# Altium PCB LM-003.PcbDoc (part 2 of 2) (continued)
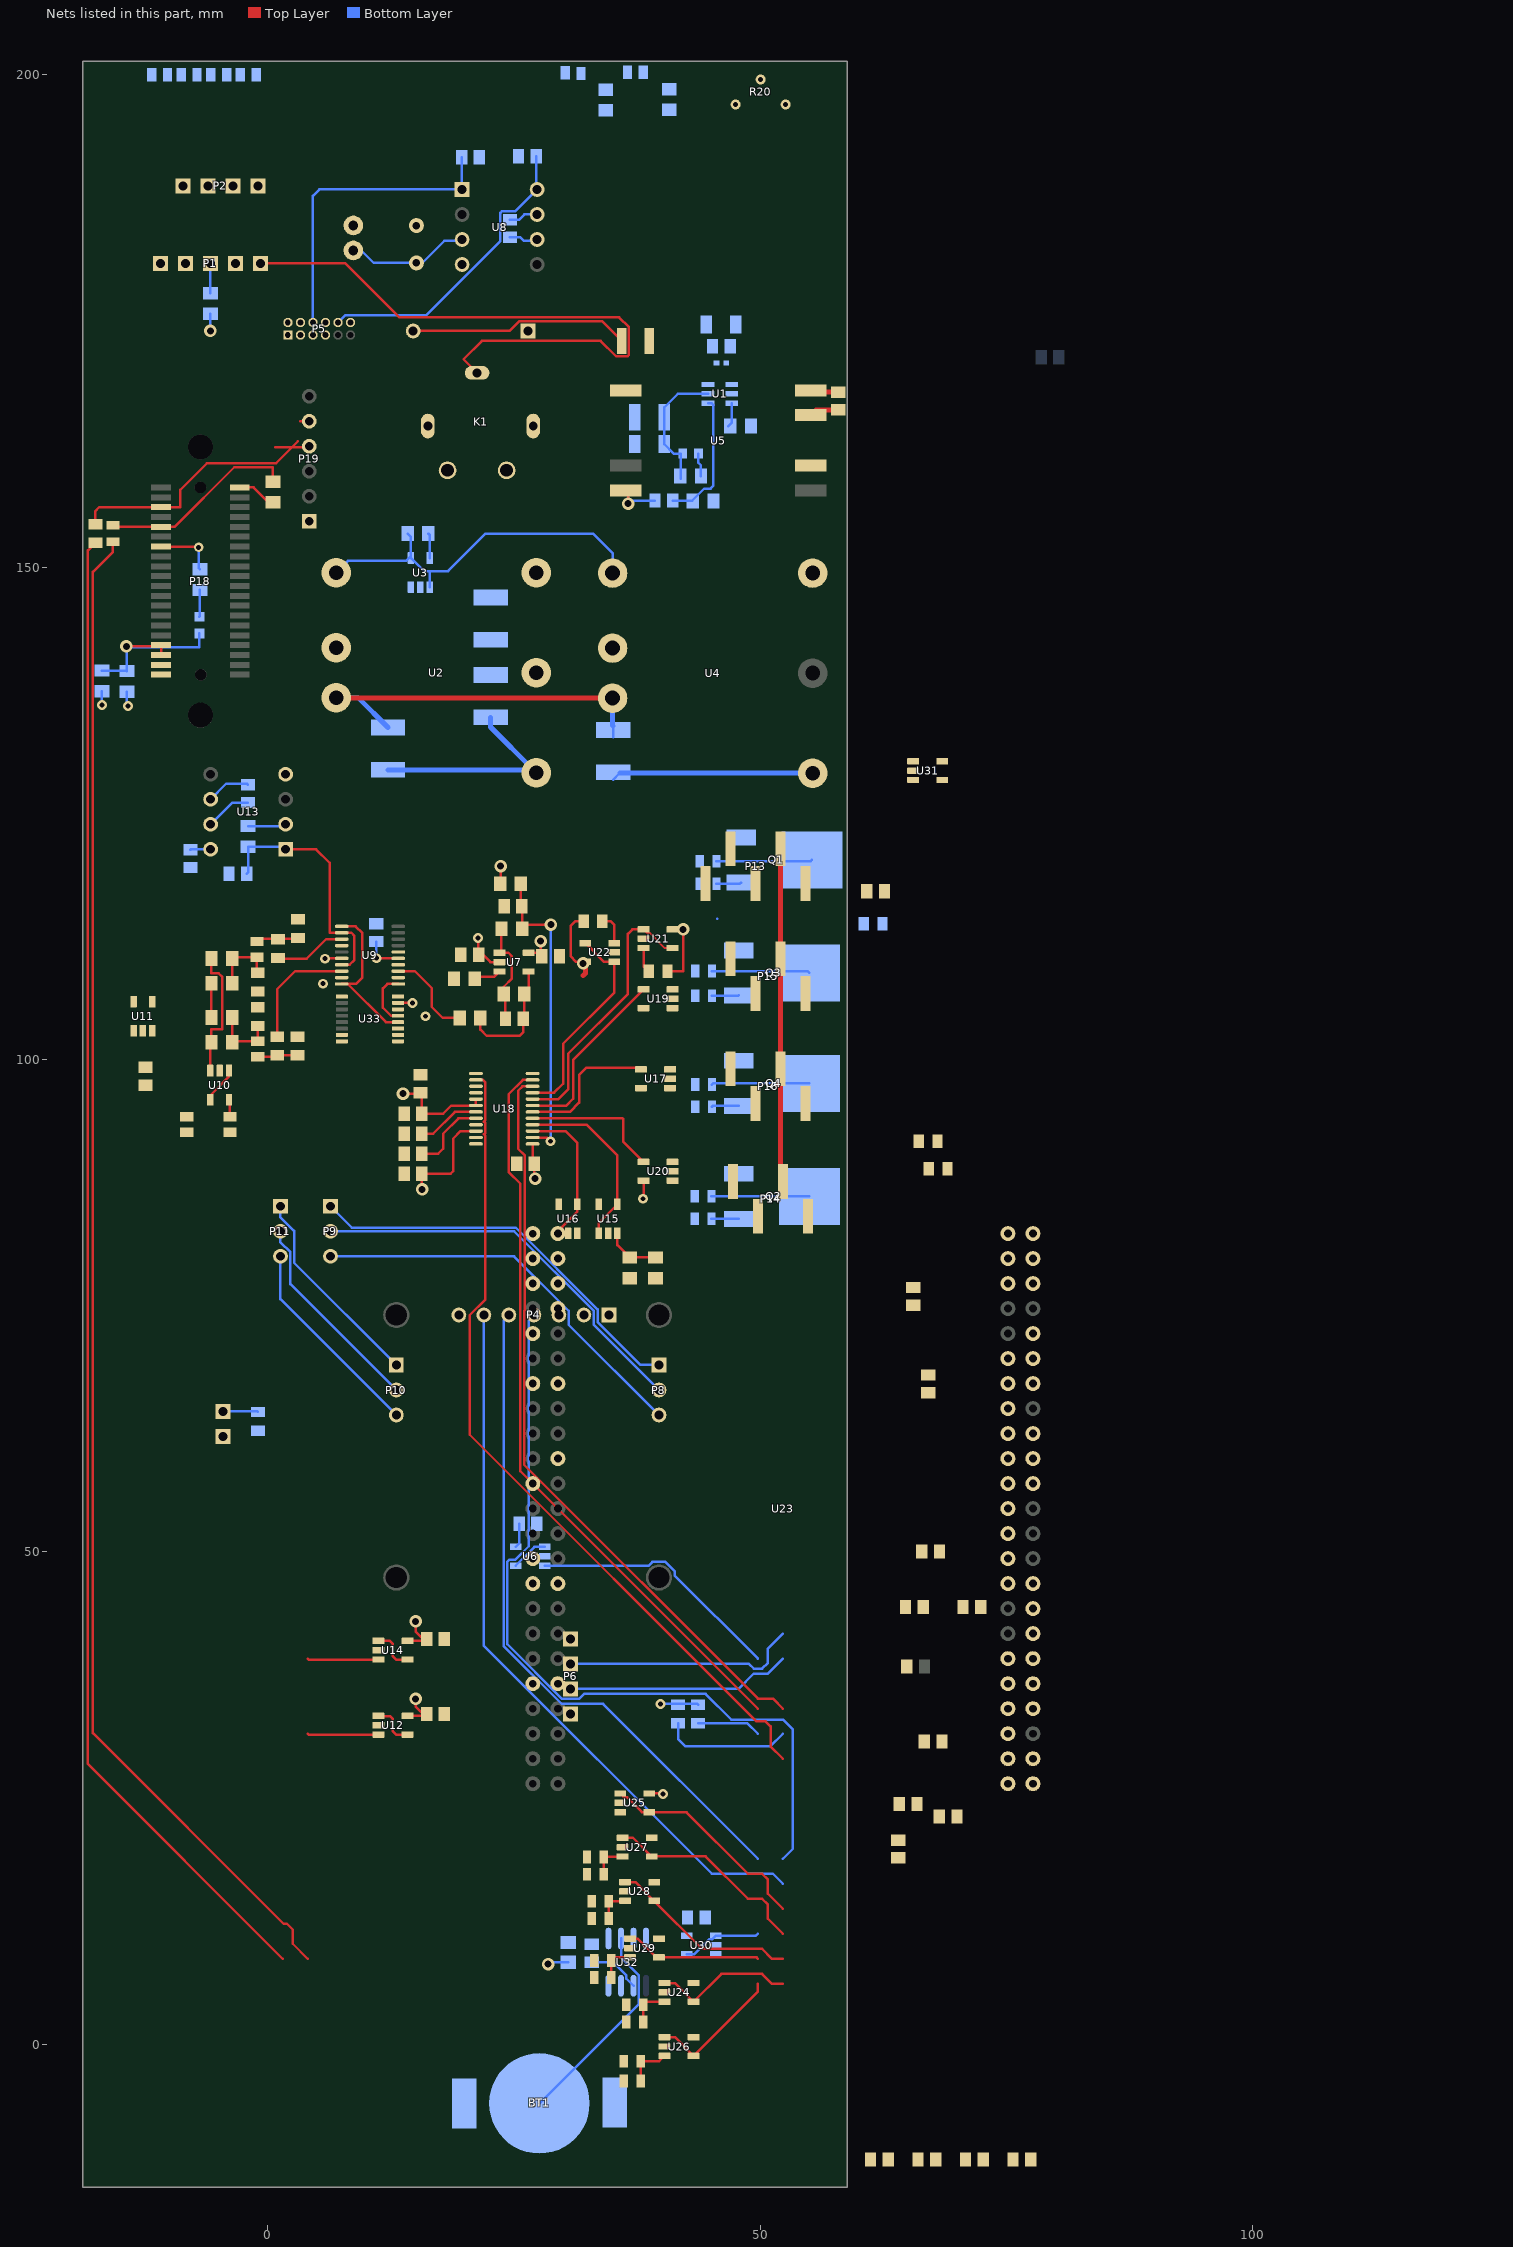
[diagram p3: the nets of this part, all layers, seen from the top]
## Part data (continued)
U3 U6 U7 U10 U11 U12 U14 U15 U16 U17 U19 U20 U21 U22 U24 U25 U26 U27 U28 U29 U30 U31: library part CMP-0809-00005-2, "Precision, Low Noise, Rail-to-Rail Output, Zero-Drift Operational Amplifier, 4 to 36 V, -40 to 125 degC, 5-pin SOT23 (DBV5), Green (RoHS & no Sb/Br)", Manufacturer="Texas Instruments", Rating=Catalog, Total Supply Voltage(Max)(+5V is 5, +/-5V is 10)=36, Total Supply Voltage(Min)(+5V is 5, +/-5V is 10)=4, CMRR(Min)(dB)=120, Code_JEDEC=MO-178, ComponentLink1Description="Manufacturer URL", ComponentLink1URL=http://www.ti.com/, ComponentLink2Description=Datasheet, ComponentLink2URL=http://www.ti.com/lit/ds/symlink/opa188.pdf, ComponentLink3Description="Package Specification", ComponentLink3URL=http://www.ti.com/litv/pdf/mpds018i, DatasheetVersion=SBOS642A, Eco-Plan="Green (RoHS & no Sb/Br)", GBW(Typ)(MHz)=2, Iq per channel(Max)(mA)=0.51, Mounting Technology="Surface Mount", Number of Channels=1, Offset Drift(Typ)(uV/C)=0.03, PackageDescription="5-Pin Plastic Small Outline, Body 1.6 x 2.9 mm, Pitch 0.95 mm", PackageReference=DBV0005A, PackageVersion="4073253-4/K, 03/2006", PartNumber=OPA188AIDBVR, Slew Rate(Typ)(V/us)=0.8, SubFamily="Zero Drift Precision Amplifier"
U4: "DC/DC CONVERTER 12V 2.5A PCB", Current - Output (Max)=2.5A, Manufacturer 1="TDK-Lambda Americas Inc", Operating Temperature="-40°C ~ 85°C", Package / Case="6-DIP Module (6 Leads)", Power (Watts) - Manufacture Series=30W, Supplier Part Number 1=285-2419-ND, Voltage - Input (Max)=36V, Voltage - Input (Min)=9V, Voltage - Isolation="1.5kV (1500V)", Voltage - Output 1=12V, Voltage - Output 2=-, Category 1="Power Supplies - Board Mount", ComponentLink1Description=http://www.us.tdk-lambda.com/ftp/specs/ccg30.pdf, ComponentLink1URL=http://www.us.tdk-lambda.com/ftp/specs/ccg30.pdf, Description 1="DC/DC CONVERTER 12V 2.5A PCB", Efficiency=89%, Features="Remote On/Off, OCP", Manufacturer Part Number 1=CCG302412S, Mounting Type="Through Hole", Number of Outputs=1, Packaging=Tube, Power (Watts) - Max=30W, Pricing 1="1=43.63, 10=42.95 (USD)", RoHS 1="RoHS Compliant", Size / Dimension="1.00\" L x 1.00\" W x 0.39\" H (25.4mm x 25.4mm x 9.9mm)", Stock 1=30, Supplier 1=Digi-Key, Type="Isolated Module", Voltage - Output 3=-
U5: "CONV DC/DC 1.5W SNGL 5V 5V SMD", Current - Output (Max)=300mA, Manufacturer="TDK-Lambda Americas Inc.", Operating Temperature="-40°C ~ 85°C", Package / Case="7-SMD Module", Power (Watts)=1W, Supplier Part Number 1=445-3267-ND, Voltage - Input (Max)=9V, Voltage - Input (Min)=4.5V, Voltage - Isolation=500V, Voltage - Output 1=5V, Voltage - Output 2=-, Applications="ITE (Commercial)", Category="Power Supplies - Board Mount", ComponentLink1Description=http://www.us.tdk-lambda.com/ftp/specs/CC1R5-xR-E_spc_en.pdf, ComponentLink1URL=http://www.us.tdk-lambda.com/ftp/specs/CC1R5-xR-E_spc_en.pdf, Efficiency=-, Features=-, Manufacturer Part Number=CC1R5-0505SR-E, Mounting Type="Surface Mount", Number of Outputs=1, Packaging=Tray, Part Status=Active, Pricing 1="1=9.7, 10=9.24 (USD)", RoHS="RoHS Compliant", Size / Dimension="0.65\" L x 0.65\" W x 0.35\" H (16.5mm x 16.6mm x 8.8mm)", Stock 1=174, Supplier 1=Digi-Key, Type="Isolated Module", Voltage - Output 3=-
U8 U13: library part CMP-0784-00054-1, "Pin Programmable, Precision Voltage Reference, + 2.5 / + 5 / + 7.5 / + 10 Prog V Output, 4.5 to 30 V Supply, Commercial, 8-pin DIP (N-8), Tube", Manufacturer="Analog Devices", Operating Temp Range="0 to 70 degC", Code_JEDEC=MS-001, ComponentLink1Description="Manufacturer URL", ComponentLink1URL=http://www.analog.com/en/index.html, ComponentLink2Description=Datasheet, ComponentLink2URL=http://www.analog.com/static/imported-files/data_sheets/AD584.pdf, ComponentLink3Description="Package Specification", ComponentLink3URL=http:/www.analog.com/static/imported-files/packages/PKG_PDF/PDIP(N)/N_8.pdf, ComponentLink4Description="URL Link1", ComponentLink4URL="Product URL:http://www.analog.com/en/special-linear-functions/voltage-references/ad584/products/product.html", DatasheetVersion="Rev. C", Max V Supply (V)=30, Min V Supply (V)=4.5, Mounting Technology="Through Hole", PackageDescription="8-Pin Plastic Dual In-Line Package, Row spacing 7.62 mm, Pitch 2.54 mm", PackageReference=N-8, PackageVersion="070606-A, 07/2006", Packing=Tube, PartNumber=AD584KNZ, Ref Out TC (ppm/C)=15, Vout="2.5V, 5V, 7.5V, 10V"
U9: "IC SWITCH QUAD SPDT 20TSSOP", Case/Package=TSSOP, Dual Supply Voltage=15V, Manufacturer=Maxim, Manufacturer Part Number=MAX333AEUP+, Max Dual Supply Voltage=20V, Max Operating Temperature=85°C, Max Power Dissipation=559mW, Max Supply Current=250uA, Max Supply Voltage=30V, Min Dual Supply Voltage=4.5V, Min Operating Temperature=-40°C, Min Supply Voltage=10V, On-State Resistance=35R, Operating Supply Current=1uA, Package Quantity=74, Supplier Part Number 1=700-MAX333AEUP, ComponentLink1Description=https://datasheet.ciiva.com/2978/max333a-2978850.pdf, ComponentLink1URL=https://datasheet.ciiva.com/2978/max333a-2978850.pdf, ComponentLink2Description=https://datasheet.ciiva.com/30478/0900766b81253c85-30478260.pdf, ComponentLink2URL=https://datasheet.ciiva.com/30478/0900766b81253c85-30478260.pdf, ComponentLink3Description=https://datasheet.ciiva.com/1674/max333a-1674617.pdf, ComponentLink3URL=https://datasheet.ciiva.com/1674/max333a-1674617.pdf, ComponentLink4Description=https://datasheet.ciiva.com/26825/max333aeup-26825546.pdf, ComponentLink4URL=https://datasheet.ciiva.com/26825/max333aeup-26825546.pdf, Height=0.95mm, Lead Free="Lead Free", Length=6.6mm, Number of Bits=4, Number of Channels=4, Number of Pins=20, Packaging=Rail/Tube, Pricing 1="1=6.77, 10=6.43, 50=5.8, 100=5.8, 1000=5.62, 10000=5.62 (USD)", Radiation Hardening=No, REACH SVHC=Unknown, Stock 1=664, Supplier 1=Mouser, Supply Type=Single,Dual, Throw Configuration=SPDT, Turn-Off Delay Time=145ns, Turn-On Delay Time=175ns, Weight=0.006737oz, Width=4.5mm
U18: "IC ADC 16BIT SRL 115KSPS 24TSSOP", Manufacturer 1="Maxim Integrated", Manufacturer Part Number 1=MAX1300AEUG+, Operating Temperature="-40°C ~ 85°C", Package / Case="24-TSSOP (0.173\", 4.40mm Width)", Supplier Device Package=24-TSSOP, Supplier Part Number 1=MAX1300AEUG+-ND, Voltage - Supply, Analog=5V, Architecture=SAR, Category 1="Integrated Circuits (ICs)", ComponentLink1Description=http://datasheets.maximintegrated.com/en/ds/MAX1300-MAX1301.pdf, ComponentLink1URL=http://datasheets.maximintegrated.com/en/ds/MAX1300-MAX1301.pdf, Configuration=MUX-PGA-S/H-ADC, Data Interface=SPI, Description 1="IC ADC 16BIT SRL 115KSPS 24TSSOP", Features=PGA, Input Type="Differential, Single Ended", Number of A/D Converters=1, Number of Bits=16, Number of Inputs="4, 8", Packaging=Tube, Part Status=Active, Pricing 1="1=13.94, 10=13.24, 50=13.16 (USD)", Ratio - S/H:ADC=1:1, Reference Type="External, Internal", RoHS 1="RoHS Compliant", Sampling Rate (Per Second)=115k, Stock 1=1553, Supplier 1=Digi-Key, Supplier 2=Mouser, Supplier Part Number 2=700-MAX1300AEUG+, Voltage - Supply, Digital=5V
U23: library part Beaglebone_Black, "Beaglebone Black", Current Rating=-, Insulation Color=Black, Manufacturer="Molex, LLC", Manufacturer Part Number=0010897462, Material Flammability Rating="UL94 V-0", Supplier Part Number 1=WM50012-46-ND, Applications="Automotive, General Purpose, Lighting, Medical, Telecommunications", Category="Connectors, Interconnects", ComponentLink1Description=http://www.molex.com/pdm_docs/sd/010897041_sd.pdf, ComponentLink1URL=http://www.molex.com/pdm_docs/sd/010897041_sd.pdf, Connector Type="Header, Breakaway", Contact Finish - Mating=Gold, Contact Finish - Post=Tin, Contact Finish Thickness - Mating="15µin (0.38µm)", Contact Finish Thickness - Post="74.8µin (1.90µm)", Contact Length - Mating="0.240\" (6.10mm)", Contact Length - Post="0.107\" (2.71mm)", Contact Material="Copper Alloy", Contact Shape=Square, Contact Type="Male Pin", Fastening Type=-, Features=-, Ingress Protection=-, Insulation Height="0.090\" (2.29mm)", Insulation Material="Liquid Crystal Polymer (LCP), Glass Filled", Mated Stacking Heights=-, Mounting Type="Through Hole", Number of Positions=46, Number of Positions Loaded=All, Number of Rows=2, Operating Temperature=-, Overall Contact Length="0.437\" (11.10mm)", Packaging=Bulk, Part Status=Active, Pitch - Mating="0.100\" (2.54mm)", Pricing 1="1=7.65, 10=7.336, 25=6.698, 50=6.379, 100=6.0601, 250=5.4222, 500=5.10324 (USD)", RoHS="RoHS Compliant", Row Spacing - Mating="0.100\" (2.54mm)", Shrouding=Unshrouded, Stock 1=407, Style="Board to Board or Cable", Supplier 1=Digi-Key, Termination=Solder, Voltage Rating=-
U32: library part CMP-0254-00374-1, "+/-5ppm, I2C Real-Time Clock with Internal MEMs Resonator, 8-Pin SO, -40 to 85 degC, Automotive Qualified, Pb-Free", Code_IPC=SOIC127P600-8, Code_JEDEC=MS-012-AA, ComponentLink1Description="Manufacturer URL", ComponentLink1URL=http://www.maxim-ic.com, ComponentLink2Description=Datasheet, ComponentLink2URL=http://datasheets.maxim-ic.com/en/ds/DS3231M.pdf, ComponentLink3Description="Package Specification", ComponentLink3URL=http://pdfserv.maxim-ic.com/package_dwgs/21-0041.PDF, DatasheetVersion="Rev 3, Dec-2011", PackageDescription="8-Pin Small-Outline IC, Narrow (0.15in), 1.27 mm Pitch, SOIC (N), Pb-Free", PackageReference=S8MK+1, PackageVersion="revC, 2010"
U33: library part CMP-1527-00010-2, "CMOS Quad Low-to-High Voltage Level Shifter, 3 to 18 V, -55 to 125 degC, 16-Pin TSSOP (PW16), RoHS, Tube", Manufacturer="Texas Instruments", Package Reference=PW0016A, Temperature Range="-55 to 125 degC", ComponentLink1Description="Manufacturer URL", ComponentLink1URL=www.ti.com, ComponentLink2Description=Datasheet, ComponentLink2URL=http://www.ti.com/lit/ds/symlink/cd40109b.pdf, ComponentLink3Description="Package Specification", ComponentLink3URL=http://www.ti.com/lit/ml/mpds361/mpds361.pdf, DatasheetVersion=SCHS099B, Mounting Technology="Surface Mount", Number of Bits=4, Number of Channels=4, Number of Outputs=4, PackageDescription="16-Pin Plastic Small Outline Package, Body 5 x 4.4 mm, Pitch 0.65 mm", PackageVersion=4040064-4/G, Packing=Tube, PartNumber=CD40109BPW, Propagation Delay="240 ns Max.", RoHS=TRUE, VSS="3 to 18 V"

## Free pads (board coordinates)
  round 2.667 hole 2.159: 4(13.04,47.38) 5(39.71,74.05) 6(39.71,47.38) 7(13.04,74.05)

## Via types
v1: diameter 1.27, hole 0.711, Top Layer to Bottom Layer, 14 vias
v2: diameter 1, hole 0.5, Top Layer to Bottom Layer, 13 vias

## Nets (pads, with @x,y where several pads share a name; then routed paths per layer and width w, separated by ;. In a path a pad name is that pad's centre, name@x,y a point inside that pad or via, vN(x,y) a via of type N, cw(c..) or ccw(c..) an arc to the next point about the centre after c; other vN are vias at no path point)
9-33: U23.9-33 U25.1 U25.4 | length 22.2
  Top Layer w0.254: U25.1@35.775,25.45 36.146,25.079 36.452,25.079 37.981,23.55 U25.4@38.725,23.55 38.754,23.521 42.519,23.521 48.744,17.296 50.181,17.296 50.776,16.701 50.776,15.264 52.3,13.74
9-35: U23.9-35 U27.1 U27.4 | length 21.2
  Top Layer w0.254: U27.1@36.025,20.95 37.075,20.95 U27.4@38.975,19.05 44.45,19.05 48.744,14.756 50.181,14.756 50.776,14.161 50.776,12.724 52.3,11.2
9-37: U23.9-37 U28.1 U28.4 | length 19.3
  Top Layer w0.254: U28.1@36.275,16.45 37.325,16.45 U28.4@39.225,14.55 44.099,9.676 50.181,9.676 51.197,8.66 52.3,8.66
9-38: U23.9-38 U29.1 U29.4 | length 13.8
  Top Layer w0.254: U29.1@36.775,10.7 37.55,10.7 39.45,8.8 U29.4@39.725,8.8 49.62,8.8 49.76,8.66
9-39: U23.9-39 U24.1 U24.4 | length 14.4
  Top Layer w0.254: U24.1@40.275,6.2 41.325,6.2 U24.4@43.225,4.3 46.061,7.136 50.181,7.136 51.197,6.12 52.3,6.12
+3.3: C35.1 C36.1 C45.1 C46.1 R5.2 R60.2 U18.17 U18.18 U23.9-3 U23.9-4 U25.3 U32.2 U33.1 U33.2 U33.7 U33.9 U33.15 | length 22.6
  Top Layer w0.254: U33.7@13.213,105.741 v2@14.68,105.741 ; v1(13.716,96.52) 15.61,96.52 15.632,96.498 C35.1@15.632,94.488 17.78,94.488 18.617,95.325 U18.18@21.125,95.325 U18.17@21.125,95.975
  Bottom Layer w0.254: v2(-16.866,135.992) R60.2@-16.866,137.405 ; v1(-5.842,173.99) R5.2@-5.842,175.734 ; v1(28.448,8.128) 28.641,8.321 C45.1@30.492,8.321 ; C46.1@32.892,8.321 35.041,8.321 36.411,6.951 36.411,6.637 U32.2@37.127,5.921
  other v2: 14.681,105.74
+5: C4.2 C5.2 C8.1 C9.2 C14.1 C16.1 C23.2 C26.2 C28.1 C29.1 C33.1 C34.1 C37.2 C40.2 C41.1 C42.1 C43.2 C44.2 C47.2 C48.2 C50.2 C51.2 C52.2 C53.2 C54.2 C55.2 C56.2 DS1.1 L1.1 P4.1 P5.7 P6.1 R2.1 R10.2 R31.2 R32.2 R33.2 R34.1 R35.2 R37.2 R41.1 R44.2 R57.2 R61.2 U1.6 U2.4 U6.5 U7.5 U10.5 U11.5 U12.5 U14.5 U15.5 U16.5 U17.5 U18.1 U18.22 U19.5 U20.5 U21.5 U22.5 U24.5 U25.5 U26.5 U27.5 U28.5 U29.5 U30.5 U31.5 | length 76.9
  Top Layer w0.254: U10.5@-3.957,95.915 -3.861,95.818 C23.2@-3.861,94.198 ; U12.5@14.175,33.335 15.925,33.335 14.986,34.274 v1(14.986,35.052) ; U14.5@14.175,40.955 15.925,40.955 14.986,41.894 v1(14.986,42.926) ; v1@15.632,86.832 C33.1@15.632,88.392 18.542,88.392 18.796,88.646 18.796,91.948 19.573,92.725 U18.22@21.125,92.725 ; R10.2@23.588,117.856 23.622,117.89 v1(23.622,119.634) ; U7.5@26.471,110.839 27.453,110.839 C16.1@27.686,110.606 ; U18.1@26.875,91.425 26.875,89.595 C34.1@27.062,89.408 v1@27.062,87.975 ; v1(27.686,112.014) C16.1@27.686,110.606 ; C16.1@27.802,110.49 C16.1@27.686,110.606 ; R35.2@32.07,114.046 31.242,114.046 30.734,113.538 30.734,110.49 31.303,109.921 U22.5@32.231,109.921 ; v2(38.1,85.852) 38.149,85.901 U20.5@38.149,87.696 ; U25.5@38.725,25.45 40.082,25.45 v2(40.132,25.4) ; R34.1@40.574,108.966 42.164,108.966 v1(42.164,113.218) U21.5@41.099,113.218
  Top Layer w0.5: 31.995,108.509 32.231,108.745 U22.5@32.231,109.921
  Bottom Layer w0.254: R61.2@-14.326,137.355 -14.326,135.992 v2(-14.224,135.89) ; U6.5@25.167,50.496 25.516,50.845 C14.1@25.516,52.832 ; U2.4@26.954,129.422 U2.4@27.254,129.122 ; v2(39.878,34.544) 43.622,34.544 R31.2@43.688,34.478
  Bottom Layer w0.5: C9.2@12.192,129.422 26.954,129.422 22.606,133.77 C8.1@22.606,134.756
  other v1: 15.646,86.817 27.127,87.909 32.004,109.753
"+5 BBB": C12.2 R7.1 U3.5 U5.7 U23.9-5 U23.9-6 | length 5.4
  Top Layer w0.254: U5.7@55.122,167.945 U5.7@55.289,167.778
  Top Layer w0.5: U5.7@55.289,167.778 C12.2@57.912,167.778
  Bottom Layer w0.254: R7.1@16.29,153.416 16.422,153.284 U3.5@16.422,150.921
+5R: C31.1 R28.1 U9.12 U9.17 U13.1 | length 25.5
  Top Layer w0.254: U13.1@1.796,121.346 4.892,121.346 6.258,119.98 6.258,112.868 U9.12@7.488,112.868 8.467,112.868 8.788,112.547 8.788,110.109 8.298,109.618 U9.17@7.488,109.618
  Bottom Layer w0.254: C31.1@-2.148,118.872 -2.014,119.006 R28.1@-2.014,121.606 1.536,121.606 U13.1@1.796,121.346
+12: C13.2 C22.2 C32.1 DS3.1 DS4.1 DS5.1 DS6.1 P13.2 P14.2 P15.2 P16.2 R56.2 U4.4 U9.16 U13.8 U33.16 | length 57.9
  Top Layer w0.254: v2(5.791,110.236) 5.824,110.268 U9.16@7.488,110.268
  Top Layer w0.5: P14.2@52.07,87.104 P16.2@52.07,99.042 P15.2@52.07,109.964 ; P15.2@52.07,110.726 P13.2@52.07,121.394
  Bottom Layer w0.254: C32.1@-7.874,121.296 -7.824,121.346 U13.8@-5.824,121.346 ; C13.2@35.052,128.406 C13.2@35.728,129.082
  Bottom Layer w0.5: C13.2@35.728,129.082 U4.4@55.324,129.082
-5: C7.1 C17.2 C24.1 P5.5 U2.6 U7.2 U9.5 U16.2 U16.3 | length 7.8
  Top Layer w0.254: v2(11.024,110.289) 13.218,110.289 U9.5@13.238,110.268 ; v2(21.336,112.344) 21.336,111.15 22.597,109.889 U7.2@23.521,109.889
  Bottom Layer w0.254: C24.1@10.998,111.979 10.998,110.314 v2(11.024,110.289)
AGND: C44.1
"Arrestment Htr Out": P15.1 Q3.4 R42.2 | length 10
  Bottom Layer w0.254: R42.2@45.096,108.976 54.808,108.976 Q3.4@54.996,108.788
Aux+: K1.3 K1.5 P2.1
Batt+: K1.4 P1.1 R53.2 | length 63.2
  Top Layer w0.254: P1.1@-0.762,180.848 7.874,180.848 13.347,175.375 35.671,175.375 36.667,174.379 36.667,171.569 36.518,171.42 35.358,171.42 33.792,172.986 21.734,172.986 19.863,171.115 K1.4@21.24,169.738
BEAM: P5.3 U9.4
CH0: C18.1 R10.1 R12.1 U18.2 | length 31.7
  Top Layer w0.254: R10.1@25.688,117.856 25.688,115.674 C18.1@25.792,115.57 25.815,115.547 R12.1@25.815,113.352 ; R12.1@25.815,113.284 R12.1@25.815,113.352 ; U18.2@26.875,92.075 28.321,92.075 v2(28.702,91.694) ; v1(28.727,113.69) 26.153,113.69 R12.1@25.815,113.352
  Bottom Layer w0.254: v2(28.702,91.694) v1@28.702,113.69
CH1: U16.1 U16.4 U18.3 | length 15
  Top Layer w0.254: U18.3@26.875,92.725 30.211,92.725 31.43,91.506 U16.4@31.43,85.295 31.43,84.551 29.901,83.022 29.901,82.716 U16.1@29.53,82.345
CH2: U15.1 U15.4 U18.4 | length 18.6
  Top Layer w0.254: U18.4@26.875,93.375 32.355,93.375 35.494,90.236 U15.4@35.494,85.295 33.594,83.395 U15.1@33.594,82.345
"Connint Tower Htr Out": P14.1 Q2.4 R38.1 | length 10
  Bottom Layer w0.254: R38.1@45.046,86.106 54.985,86.106 Q2.4@54.996,86.096
Cross_Green: P8.2 P9.2 | length 40.9
  Bottom Layer w0.254: P9.2@6.35,82.55 25.01,82.55 33.094,74.466 33.094,73.046 P8.2@39.71,66.43
Cross_Orange: P8.3 P9.3 | length 40.9
  Bottom Layer w0.254: P9.3@6.35,80.01 25.01,80.01 30.554,74.466 30.554,73.046 P8.3@39.71,63.89
Cross_Yellow: P8.1 P9.1 | length 40.8
  Bottom Layer w0.254: P9.1@6.35,85.09 8.509,82.931 25.168,82.931 33.475,74.624 33.475,73.346 37.851,68.97 P8.1@39.71,68.97
"Gearbox Htr Out": P16.1 Q4.4 R45.1 | length 10
  Bottom Layer w0.254: R45.1@45.096,97.444 45.221,97.569 Q4.4@54.996,97.569
GND: BT1.2 C2.1 C3.1 C4.1 C5.1 C6.1 C7.2 C8.2 C11.1 C12.1 C14.2 C16.2 C17.1 C18.2 C20.2 C21.2 C22.1 C23.1 C24.2 C26.1 C28.2 C29.2 C31.2 C32.2 C33.2 C34.2 C35.2 C36.2 C37.1 C38.2 C39.2 C40.1 C41.2 C42.2 C43.1 C45.2 C46.2 C47.1 C48.1 C49.1 C50.1 C51.1 C52.1 C53.1 C54.1 C55.1 C56.1 K1.2 P1.2 P2.3 P2.4 P3.2 P4.2 P4.3 P5.1 P5.8 P6.4 P7.2 P13.3 P14.3 P15.3 P16.3 P18.1 P18.3 P19.1 Q1.3 Q2.3 Q3.3 Q4.3 R3.1 R4.2 R13.1 R14.2 R20.2 R26.1 R27.1 R30.1 R51.1 R54.1 R55.1 R58.1 R59.1 U1.2 U2.2 U2.5 U3.2 U4.2 U4.6 U5.3 U5.5 U5.6 U6.2 U8.4 U9.2 U9.6 U9.14 U9.19 U10.2 U11.2 U12.2 U13.4 U14.2 U15.2 U17.2 U18.15 U18.16 U18.21 U18.23 U18.24 U19.2 U20.2 U21.2 U22.2 U23.8-1 U23.8-2 U23.9-1 U23.9-2 U23.9-43 U23.9-44 U23.9-45 U23.9-46 U24.2 U25.2 U26.2 U27.2 U28.2 U29.2 U30.2 U31.2 U32.5 U33.8 | length 7.3
  Top Layer w0.254: U5.3@36.322,157.785 36.576,157.531 v1(36.576,156.464) ; U5.6@55.122,165.445 U5.6@55.655,165.978
  Top Layer w0.5: U5.6@55.655,165.978 C12.1@57.912,165.978
  Bottom Layer w0.254: v1(36.576,156.464) 36.881,156.769 C6.1@39.308,156.769
"GPIO 1-28": U23.9-12
I2C2_SCL: R32.1 U23.9-19 U32.8 | length 13.1
  Bottom Layer w0.254: R32.1@41.656,32.578 41.656,30.988 42.418,30.226 51.006,30.226 52.3,31.52
I2C2_SDA: R31.1 U23.9-20 U32.7 | length 6.5
  Bottom Layer w0.254: R31.1@43.688,32.578 48.702,32.578 49.76,31.52
IC_Thermistor: U23.9-36 U30.1 U30.4 | length 8.1
  Bottom Layer w0.254: U30.4@42.538,9.107 43.282,9.107 44.811,10.636 45.117,10.636 U30.1@45.488,11.007 49.567,11.007 49.76,11.2
"Lid Thermistor": P7.1 R33.1 R52.2 | length 3.6
  Bottom Layer w0.254: P7.1@-4.572,64.262 -1.082,64.262 R33.1@-1.016,64.196
Long_Green: P10.2 P11.2 | length 21
  Bottom Layer w0.254: P11.2@1.27,82.55 1.27,81.43 2.274,80.426 2.274,77.196 P10.2@13.04,66.43
Long_Orange: P10.3 P11.3 | length 21
  Bottom Layer w0.254: P11.3@1.27,80.01 1.27,75.66 P10.3@13.04,63.89
Long_Yellow: P10.1 P11.1 | length 21
  Bottom Layer w0.254: P11.1@1.27,85.09 1.27,83.97 2.655,82.585 2.655,79.355 P10.1@13.04,68.97
METER_HTR_OUT: P13.1 Q1.4 R36.2 | length 9.7
  Bottom Layer w0.254: R36.2@45.554,120.142 55.13,120.142 Q1.4@55.25,120.262
NetBT1_1: BT1.1 U32.6 | length 21.7
  Bottom Layer w0.254: BT1.1@27.567,-6.029 37.681,4.085 37.681,6.951 35.857,8.775 U32.6@35.857,10.721
NetC1_1: C1.1 R1.2 R4.1 U1.3 | length 4.9
  Bottom Layer w0.254: C1.1@43.688,161.544 43.688,160.638 43.976,160.35 R1.2@43.976,159.258 ; R4.1@46.77,164.338 47.096,164.664 U1.3@47.096,166.653
NetC15_1: C15.1 R9.2 R11.2 U7.4 | length 12.2
  Top Layer w0.254: R11.2@21.573,104.216 21.573,103.039 22.225,102.387 25.552,102.387 25.919,102.754 C15.1@25.919,104.14 ; C15.1@25.946,104.339 25.896,104.389 26.046,104.539 R9.2@26.046,106.639 26.471,107.064 U7.4@26.471,108.939
NetC15_2: C15.2 R9.1 R12.2 U7.1 | length 10.4
  Top Layer w0.254: R12.2@23.715,113.284 23.715,111.033 U7.1@23.521,110.839 24.416,110.839 24.777,110.478 24.777,108.216 23.946,107.385 R9.1@23.946,106.639 24.096,106.489 C15.2@24.096,104.389
NetC19_1: C19.1 U8.7 | length 3
  Bottom Layer w0.254: C19.1@24.578,185.301 25.535,185.301 26.055,185.821 U8.7@27.338,185.821
NetC19_2: C19.2 U8.6 | length 3
  Bottom Layer w0.254: C19.2@24.578,183.501 25.642,183.501 26.01,183.134 27.191,183.134 U8.6@27.338,183.281
NetC25_1: C25.1 R17.2 R21.2 R27.2 | length 6.7
  Top Layer w0.254: R21.2@-3.635,104.253 R17.2@-3.635,101.753 -3.521,101.867 C25.1@-1.041,101.867 R27.2@-1.041,103.393
NetC25_2: C25.2 R15.1 R16.2 | length 4.1
  Top Layer w0.254: C25.2@-1.041,100.267 0.785,100.267 R15.1@0.94,100.421 R16.2@2.997,100.421
NetC27_1: C27.1 R24.2 R25.2 R26.2 | length 6.7
  Top Layer w0.254: R25.2@-3.635,107.753 R24.2@-3.635,110.253 -3.512,110.376 C27.1@-1.118,110.376 -1.118,108.875 R26.2@-1.041,108.798
NetC27_2: C27.2 R22.1 R23.2 | length 4.1
  Top Layer w0.254: C27.2@-1.118,111.976 -0.825,112.268 2.555,112.268 R22.1@2.743,112.456
NetC30_1: C30.1 U13.7 | length 4.7
  Bottom Layer w0.254: U13.7@-5.824,123.886 -3.61,126.1 C30.1@-2.032,126.1
NetC30_2: C30.2 U13.6 | length 4.5
  Bottom Layer w0.254: U13.6@-5.824,126.426 -4.234,128.016 -2.148,128.016 C30.2@-2.032,127.9
NetC38_1: C38.1 U18.20 | length 7.9
  Top Layer w0.254: C38.1@15.632,90.424 17.272,90.424 17.78,90.932 17.78,92.456 19.349,94.025 U18.20@21.125,94.025
NetC39_1: C39.1 U18.19 | length 6.4
  Top Layer w0.254: C39.1@15.632,92.456 16.764,92.456 18.983,94.675 U18.19@21.125,94.675
NetDS1_2: DS1.2 R3.2
NetDS2_2: DS2.2 R6.2
NetDS3_2: DS3.2 R36.1
NetDS4_2: DS4.2 R38.2
NetDS5_2: DS5.2 R42.1
NetDS6_2: DS6.2 R45.2
NetDS8_1: DS8.1 P18.5 P18.7 R60.1 R61.1 | length 18.4
  Top Layer w0.254: v1(-14.376,141.961) -10.986,141.961 P18.7@-10.861,142.085 P18.5@-10.861,141.084
  Bottom Layer w0.254: R60.1@-16.866,139.505 -14.376,139.505 R61.1@-14.326,139.455 v1@-14.326,141.91 ; v1(-14.376,141.961) v1@-14.326,141.91 ; DS8.1@-6.96,143.27 -6.96,141.884 -14.3,141.884 v1@-14.326,141.91
NetDS8_2: DS8.2 R62.2 | length 2.7
  Bottom Layer w0.254: DS8.2@-6.96,144.97 -6.909,145.02 R62.2@-6.909,147.692
NetL1_2: L1.2 U1.1
NetP1_3: P1.3 R5.1 | length 3
  Bottom Layer w0.254: R5.1@-5.842,177.834 P1.3@-5.842,180.848
NetP1_4: P1.4
NetP1_5: P1.5
NetP2_2: P2.2 U23.9-9
NetP3_1: P3.1 R14.1 U8.3 | length 12.6
  Bottom Layer w0.254: P3.1@8.67,182.171 9.472,182.171 10.742,180.901 R14.1@15.078,180.901 15.674,180.901 17.907,183.134 19.571,183.134 U8.3@19.718,183.281
NetP5_2: P5.2 U11.1 U11.4
NetP5_4: P5.4 U10.1 U10.4 | length 3.3
  Top Layer w0.254: U10.4@-5.857,95.915 -5.857,96.354 -3.988,98.224 U10.1@-3.988,98.478
NetP5_12: P5.12 U6.1 U6.4 | length 3.7
  Bottom Layer w0.254: U6.4@25.167,48.596 27.067,50.496 U6.1@28.117,50.496
NetP13_4: P13.4 R35.1 U22.3 | length 3.2
  Top Layer w0.254: R35.1@33.97,114.046 34.798,114.046 35.181,113.663 U22.3@35.181,111.821
NetP13_5: P13.5 R34.2 U21.3 | length 2.6
  Top Layer w0.254: U21.3@38.149,111.318 38.149,109.425 38.608,108.966 R34.2@38.674,108.966
NetP14_4: P14.4 R37.1 U20.3 | length 0
NetP15_4: P15.4 R41.2 U19.3
NetP16_4: P16.4 R44.1 U17.3
NetP18_27: P18.27 R62.1 | length 6.1
  Top Layer w0.254: P18.27@-10.861,152.093 -7.109,152.093 v2(-7.036,152.019)
  Bottom Layer w0.254: v2(-7.036,152.019) -7.036,149.919 R62.1@-6.909,149.792
NetQ1_1: Q1.1 R39.2 | length 2.5
  Bottom Layer w0.254: R39.2@45.554,117.856 47.934,117.856 Q1.1@48.05,117.972
NetQ2_1: Q2.1 R40.2 | length 2.8
  Bottom Layer w0.254: R40.2@45.046,83.82 45.06,83.806 Q2.1@47.796,83.806
NetQ3_1: Q3.1 R43.2 | length 2.7
  Bottom Layer w0.254: R43.2@45.096,106.476 47.774,106.476 Q3.1@47.796,106.498
NetQ4_1: Q4.1 R46.2 | length 2.7
  Bottom Layer w0.254: R46.2@45.096,95.194 45.181,95.279 Q4.1@47.796,95.279
NetR13_2: R13.2 U7.3 | length 2.7
  Top Layer w0.254: R13.2@21.046,108.389 22.971,108.389 U7.3@23.521,108.939
NetR15_2: R15.2 U9.18 | length 12.1
  Top Layer w0.254: R15.2@0.94,102.321 0.94,107.137 2.771,108.968 U9.18@7.488,108.968
NetR16_1: R16.1 R20.3
NetR17_1: R17.1 R24.1 U10.3 | length 13.4
  Top Layer w0.254: U10.3@-5.857,98.865 -5.857,101.631 R17.1@-5.735,101.753 -5.735,103.05 -4.656,103.05 -4.656,108.408 -5.005,108.757 -5.735,108.757 R24.1@-5.735,110.253
NetR20_1: R20.1 R22.2
NetR21_1: R21.1 R25.1 U11.3 | length 3.6
  Top Layer w0.254: R21.1@-5.785,104.303 R21.1@-5.735,104.253 R25.1@-5.735,107.753
NetR23_1: R23.1 U9.13 | length 7.3
  Top Layer w0.254: R23.1@1.016,110.236 3.937,110.236 5.919,112.218 U9.13@7.488,112.218
NetR28_2: R28.2 U13.2 | length 3.9
  Bottom Layer w0.254: R28.2@-2.014,123.706 1.616,123.706 U13.2@1.796,123.886
NetR29_1: R29.1 R30.2 U15.3 | length 5.6
  Top Layer w0.254: U15.3@35.494,82.345 35.494,81.155 R29.1@36.756,79.893 R30.2@39.356,79.893
NetR39_1: R39.1 U23.8-3
NetR40_1: R40.1 U23.8-6
NetR43_1: R43.1 U23.8-5
NetR46_1: R46.1 U23.8-4
NetR50_1: R50.1 R51.2 U24.3 | length 4
  Top Layer w0.254: R51.2@38.1,2.25 R50.1@38.1,4 38.4,4.3 U24.3@40.275,4.3
NetR52_1: R52.1 R54.2 U26.3 | length 4.7
  Top Layer w0.254: R52.1@37.85,-3.75 R54.2@37.85,-1.75 39.725,-1.75 U26.3@40.275,-1.2
NetR53_1: R53.1 R55.2 U27.3 | length 3.7
  Top Layer w0.254: R53.1@34.1,17.25 R55.2@34.1,19 35.975,19 U27.3@36.025,19.05
NetR56_1: R56.1 R58.2 U28.3 | length 3.4
  Top Layer w0.254: R58.2@34.6,12.75 R56.1@34.6,14.5 36.225,14.5 U28.3@36.275,14.55
NetR57_1: R57.1 R59.2 U29.3 | length 3.8
  Top Layer w0.254: R57.1@34.85,6.75 R59.2@34.85,8.5 35.15,8.8 U29.3@36.775,8.8
NetU3_3: U3.3 U23.8-22
NetU6_3: U6.3 U23.9-14 | length 26.1
  Bottom Layer w0.254: U6.3@28.117,48.596 38.681,48.596 39.052,48.968 40.368,48.968 41.297,48.038 41.297,47.603 49.76,39.14
NetU12_3: U12.3 U23.8-19 | length 7.2
  Top Layer w0.254: 4.04,31.52 4.125,31.435 U12.3@11.225,31.435
NetU14_3: U14.3 U23.8-13 | length 7.2
  Top Layer w0.254: 4.04,39.14 4.125,39.055 U14.3@11.225,39.055
NetU18_12: U18.12 U23.8-7
NetU23_8-10: U23.8-10
NetU23_8-14: U23.8-14
NetU23_8-28: U23.8-28
NetU23_8-29: U23.8-29
NetU23_8-30: U23.8-30
NetU23_9-16: U23.9-16
NetU23_9-24: U23.9-24
NetU23_9-26: U23.9-26
NetU23_9-40: U23.9-40 U26.1 U26.4 | length 13.8
  Top Layer w0.254: U26.1@40.275,0.7 41.325,0.7 U26.4@43.225,-1.2 49.76,5.335 49.76,6.12
NetU30_3: U30.3
NetU31_1: U31.1 U31.4
NetU31_3: U31.3 U32.3
NetU32_4: U32.4
Power_IN: C9.1 C11.2 C13.1 F1.2 R6.1 U2.3 U4.3 U5.1 | length 61.1
  Top Layer w0.254: U2.3@6.934,136.742 U2.3@6.974,136.702 ; F1.2@14.749,173.99 24.54,173.99 25.544,174.994 33.918,174.994 C11.2@35.938,172.974
  Top Layer w0.5: U2.3@6.974,136.702 U4.3@35.004,136.702
  Bottom Layer w0.254: C13.1@35.052,132.706 C13.1@35.052,133.858
  Bottom Layer w0.5: U2.3@6.934,136.742 9.172,136.742 C9.1@12.192,133.722 ; U4.3@35.004,136.702 35.004,133.906 C13.1@35.052,133.858
Pre-fuse: DS2.1 F1.1 K1.1
PWM2A_Buff: U9.11 U9.20 U33.4 | length 16
  Top Layer w0.254: U9.20@7.488,107.668 U9.20@8.105,107.668 ; U9.11@7.488,113.518 8.91,113.518 9.601,112.827 9.601,108.331 8.939,107.668 U9.20@8.105,107.668 ; U33.4@13.213,103.791 11.982,103.791 U9.20@8.105,107.668
  other v2: 5.588,107.696
PWM2A_Lvl_Preshift: U12.1 U12.4 U33.3 | length 4.5
  Top Layer w0.254: U12.1@11.225,33.335 11.286,33.274 12.446,33.274 12.7,33.02 12.7,31.75 13.015,31.435 U12.4@14.175,31.435
PWM2B_Buff: U9.1 U33.5 | length 5.6
  Top Layer w0.254: U33.5@13.213,104.441 12.5,104.441 11.684,105.258 11.684,107.213 12.139,107.668 U9.1@13.238,107.668 U9.1@13.247,107.677
  other v2: 16.002,104.394
PWM2B_Lvl_Preshift: U14.1 U14.4 U33.6 | length 4.5
  Top Layer w0.254: U14.1@11.225,40.955 12.385,40.955 12.7,40.64 12.7,39.37 13.015,39.055 U14.4@14.175,39.055
RC: R7.2 U2.1 U3.1 U3.4 U4.1 | length 37.8
  Bottom Layer w0.254: U2.1@6.934,149.442 8.128,150.636 14.028,150.636 14.522,151.13 14.522,153.084 R7.2@14.19,153.416 ; U3.4@14.522,150.921 15.837,149.606 16.51,149.606 ; U3.1@16.422,147.971 16.422,149.518 16.51,149.606 ; U4.1@35.004,149.402 35.004,151.432 33.02,153.416 22.098,153.416 18.288,149.606 16.51,149.606
RXD: P18.35 P19.5 R65.2 | length 26.8
  Top Layer w0.254: R65.2@-17.526,154.366 -17.526,155.702 -17.132,156.096 P18.35@-10.861,156.096 -8.89,156.096 -8.89,157.861 -6.193,160.558 0.818,160.558 3.048,162.789 ; 3.302,164.821 P19.5@4.191,164.821
SERIAL4_RX: P6.2 U23.9-11 | length 24.1
  Bottom Layer w0.254: P6.2@30.734,38.608 48.855,38.608 49.339,38.124 50.181,38.124 50.776,38.719 50.776,40.156 52.3,41.68
SERIAL4_TX: P6.3 U23.9-13 | length 22.8
  Bottom Layer w0.254: P6.3@30.734,36.068 47.791,36.068 49.339,37.616 50.776,37.616 52.3,39.14
Serial5_RX: R65.1 U23.8-38 | length 152.3
  Top Layer w0.254: R65.1@-17.526,152.466 -18.288,151.704 -18.288,28.448 1.5,8.66
Serial5_TX: R64.1 U23.8-37 | length 153.8
  Top Layer w0.254: R64.1@-15.748,152.4 -15.748,151.55 -17.78,149.518 -17.78,31.583 1.587,12.216 1.921,12.216 2.516,11.621 2.516,10.184 4.04,8.66
SPI0_CS0: U18.10 U23.9-17 | length 76.5
  Top Layer w0.254: U18.10@26.875,97.275 25.85,97.275 25.4,96.825 25.4,90.929 26.091,90.238 26.091,74.551 26.006,74.466 26.006,58.839 49.769,35.076 51.284,35.076 52.3,34.06
SPI0_MISO: U18.14 U23.9-21 | length 84.4
  Top Layer w0.254: U18.14@21.125,97.925 21.836,97.925 22.079,97.682 22.079,93.847 21.932,93.7 22.079,93.553 22.079,92.547 21.932,92.4 22.079,92.253 22.079,75.619 20.498,74.038 20.498,61.885 49.617,32.766 50.546,32.766 51.054,32.258 51.054,30.226 52.3,28.98
SPI0_MOSI: U18.11 U23.9-18 | length 75.9
  Top Layer w0.254: U18.11@26.875,97.925 25.891,97.925 24.433,96.467 24.433,88.578 25.625,87.386 25.625,58.195 49.76,34.06
SPI0_SCLK: U18.13 U23.9-22
SPI1_CS0: P4.7 U23.9-28
SPI1_CS1: U23.9-42
SPI1_MISO: P4.4 U23.9-29 | length 81.5
  Bottom Layer w0.254: P4.4@27.01,74.05 26.487,73.527 26.487,50.56 25.102,49.175 24.491,49.175 24.313,48.998 24.313,40.605 29.867,35.052 31.601,35.052 32.109,35.56 44.45,35.56 47.051,32.959 52.298,32.959 53.316,31.941 53.316,19.836 52.3,18.82
SPI1_MOSI: P4.5 U23.9-30 | length 68.6
  Bottom Layer w0.254: P4.5@24.47,74.05 23.932,73.512 23.932,40.448 29.836,34.544 34.036,34.544 49.76,18.82
SPI1_SCLK: P4.6 U23.9-31 | length 74
  Bottom Layer w0.254: P4.6@21.93,74.05 21.93,40.449 45.083,17.296 51.284,17.296 52.3,16.28
"Switched Beam": R11.1 U9.3 | length 9.3
  Top Layer w0.254: U9.3@13.238,108.968 14.912,108.968 16.637,107.244 16.637,105.334 17.755,104.216 R11.1@19.473,104.216
"Thermistor 1": U18.5 U20.1 U20.4 | length 14.4
  Top Layer w0.254: U18.5@26.875,94.025 36.006,94.025 ; 36.068,93.98 36.068,91.677 U20.4@38.149,89.596
"Thermistor 2": U17.1 U17.4 U18.6 | length 14.8
  Top Layer w0.254: U18.6@26.875,94.675 30.667,94.675 31.607,95.615 31.607,98.409 32.369,99.171 U17.4@38.149,99.171
"Thermistor 3": U18.7 U19.1 U19.4 | length 18.5
  Top Layer w0.254: U18.7@26.875,95.325 30.301,95.325 30.988,96.012 30.988,99.961 U19.4@38.149,107.122
"Thermistor 4": U18.8 U21.1 U21.4 | length 27.9
  Top Layer w0.203: U21.1@38.149,113.218 38.545,112.822 38.815,112.822 40.319,111.318 U21.4@41.099,111.318
  Top Layer w0.254: U18.8@26.875,95.975 28.485,95.975 29.492,95.966 30.489,96.963 30.48,97.97 30.48,100.584 36.551,106.655 36.551,112.751 37.018,113.218 U21.1@38.149,113.218
"Thermistor 5": U18.9 U22.1 U22.4 | length 21.8
  Top Layer w0.254: U18.9@26.875,96.625 29.061,96.625 29.972,97.536 29.972,101.6 35.179,106.807 U22.1@35.181,109.921 ; U22.4@32.231,111.821 34.131,109.921 U22.1@35.181,109.921
TXD: P18.31 P19.4 R63.1 R64.2 | length 23.7
  Top Layer w0.254: R64.2@-15.748,154.094 P18.31@-10.861,154.094 -9.478,154.094 -3.425,160.147 0.483,160.147 0.508,160.122 R63.1@0.508,158.682 ; 0.737,162.179 P19.4@4.191,162.179
VCC_2V85: P18.40 R63.2 | length 4
  Top Layer w0.254: P18.40@-2.855,158.097 -1.466,158.097 0.049,156.582 R63.2@0.508,156.582
ZH: C1.2 C2.2 C3.2 C21.1 P5.10 R1.1 R50.2 U1.5 U8.8 | length 44.3
  Bottom Layer w0.254: P5.10@7.112,174.854 7.836,175.577 16.066,175.577 23.599,183.111 23.599,185.981 23.748,186.13 25.107,186.13 U8.8@27.338,188.361 27.24,188.46 C21.1@27.24,191.745 ; R1.1@41.91,159.004 41.91,161.544 41.206,161.544 C3.2@40.246,162.503 40.26,162.517 C2.2@40.26,165.227 40.26,166.244 41.619,167.603 U1.5@44.696,167.603
ZH_SHDN: C6.2 R2.2 U1.4 | length 13.6
  Bottom Layer w0.254: C6.2@41.108,156.769 43.095,156.769 44.314,157.988 44.958,157.988 45.219,158.249 45.219,166.505 45.071,166.653 U1.4@44.696,166.653
ZP: C20.1 P5.6 R29.2 U8.1 | length 31.6
  Bottom Layer w0.254: P5.6@4.572,174.854 4.572,187.706 5.227,188.361 U8.1@19.718,188.361 19.674,188.406 C20.1@19.674,191.643
pads on no net: C10.1 C10.2 C49.2 P5.9 P5.11 P18.2 P18.4 P18.6 P18.8 P18.9 P18.10 P18.11 P18.12 P18.13 P18.14 P18.15 P18.16 P18.17 P18.18 P18.19 P18.20 P18.21 P18.22 P18.23 P18.24 P18.25 P18.26 P18.28 P18.29 P18.30 P18.32 P18.33 P18.34 P18.36 P18.37 P18.38 P18.39 P18.hole P19.2 P19.3 P19.6 U4.5 U5.2 U5.4 U8.2 U8.5 U9.7 U9.8 U9.9 U9.10 U9.15 U13.3 U13.5 U23.8-8 U23.8-9 U23.8-11 U23.8-12 U23.8-15 U23.8-16 U23.8-17 U23.8-18 U23.8-20 U23.8-21 U23.8-23 U23.8-24 U23.8-25 U23.8-26 U23.8-27 U23.8-31 U23.8-32 U23.8-33 U23.8-34 U23.8-35 U23.8-36 U23.8-39 U23.8-40 U23.8-41 U23.8-42 U23.8-43 U23.8-44 U23.8-45 U23.8-46 U23.9-7 U23.9-8 U23.9-10 U23.9-15 U23.9-23 U23.9-25 U23.9-27 U23.9-32 U23.9-34 U23.9-41 U32.1 U33.10 U33.11 U33.12 U33.13 U33.14

## Polygon pours and split planes (outlines as drawn)
GND on Bottom Layer "GND" (solid, shelved, pour order 79): -18.796,-14.529 58.822,-14.529 58.822,201.344 -18.796,201.344
GND on Top Layer "GND" (solid, shelved, pour order 95): -18.796,-14.529 58.822,-14.529 58.822,201.422 -18.796,201.422
+5 on +5V "+5" (solid, shelved, pour order 97): -18.796,201.422 58.674,201.422 58.674,-14.478 -18.796,-14.478

## Silkscreen, mask and mechanical layers (free items; w line width, h text height)
Top Overlay:
  lines w0.254: -7.163,108.952 -7.163,111.702 -2.315,111.702 -2.315,108.952 ; -7.036,102.796 -7.036,100.383 -2.337,100.383 -2.337,102.796 ; 3.302,176.901 3.302,194.056 29.286,194.056 ; 3.556,178.933 29.54,178.933 29.54,196.088 ; 30.48,109.474 30.48,109.22 31.75,107.95
  text "CPU Power In +5V" at 6,196.75 h1
  text "Sense Offset Adjust" at 55.118,193.802 h0.5
  text "Lid" at -14.986,189.23 h1
  text "ZH Voltage Ref" at 4.572,188.214 h1
  text "Batt" at -17.018,181.356 h1
  text "ZH" at 5.452,178.841 h1
  text "DO NOT USE" at 7.366,157.429 h1 r90
  text "Meter Heater" at 79.019,117.17 h0.5 r270
  text "Arrestment Heater" at 81.5,110.5 h0.5 r270
  text "Arrestment  / Heater" at 61.468,106.68 h1
  text "Gearbox" at 44.45,91.186 h1
  text "Yellow" at -7.62,87.122 h0.64
  text "Cross" at 8.89,85.09 h1 r270
  text "Long" at -2.413,84.633 h1 r270
  text "Conning Tower" at 44.704,78.486 h1
  text "Lid Thermistor" at -6.35,58.166 h1 r270
Bottom Overlay:
  lines w0.254: 27.846,171.003 28.596,171.003 28.596,170.503 ; 109.75,43 122,43 ; 29.326,154.076 57.736,154.076 57.736,179.299 29.326,179.299 29.326,154.076
  lines w1: 10.5,43.204 42.25,43.204 42.25,76.59 10.5,76.59 10.5,43.204
  text "Fuse Blown" at 32.063,198.181 h0.5 r90
  text "Computer Power On" at 38.388,198.156 h0.5 r90
  text "Conning Tower Heater" at -10.5,198 h0.5 r90
  text "Meter Heater" at -7.25,198 h0.5 r90
  text "Gearbox Heater" at -4.5,198 h0.5 r90
  text "Arrestment Heater" at -1.5,198 h0.5 r90
  text "IC Heater" at 2,198 h0.5 r90
  text "36V DC-DC" at 50.946,177.003 h1.52
  text "Gearbox Heater" at 65.75,113.25 h0.5 r270
  text "Conning Tower Heater" at 78.5,108.75 h0.5 r270
  text "IC Heater" at 64.75,82.25 h0.5 r270
  text "Levels Board" at 35.9,60.08 h1.52
  text "Displays" at 24.638,34.29 h1 r270
  text "LM-003" at 18.105,14.375 h1.52
  text "REV A" at 18.105,11.835 h1
  text "ZLS Corp" at 18.105,9.295 h1

## Dimensions
-28.178,-16.733 to 58.822,-15.733 on Mechanical 1
-33.787,-18.136 to -34.787,197.864 on Mechanical 1